# Altium PCB BeliefSat-0 2.0.PcbDoc (part 2 of 2)
Units mm, origin at the board's own origin, x right, y up, seen from the top; angles counter-clockwise.
Board outline 100 x 100 mm, 4 copper layers (Top Layer, GND, GND1, Bottom Layer), stack 1.64 mm thick; 59 components, 42 nets, 197 pads, 1337 vias.
Unrouted connection lines stored in the file: 39.
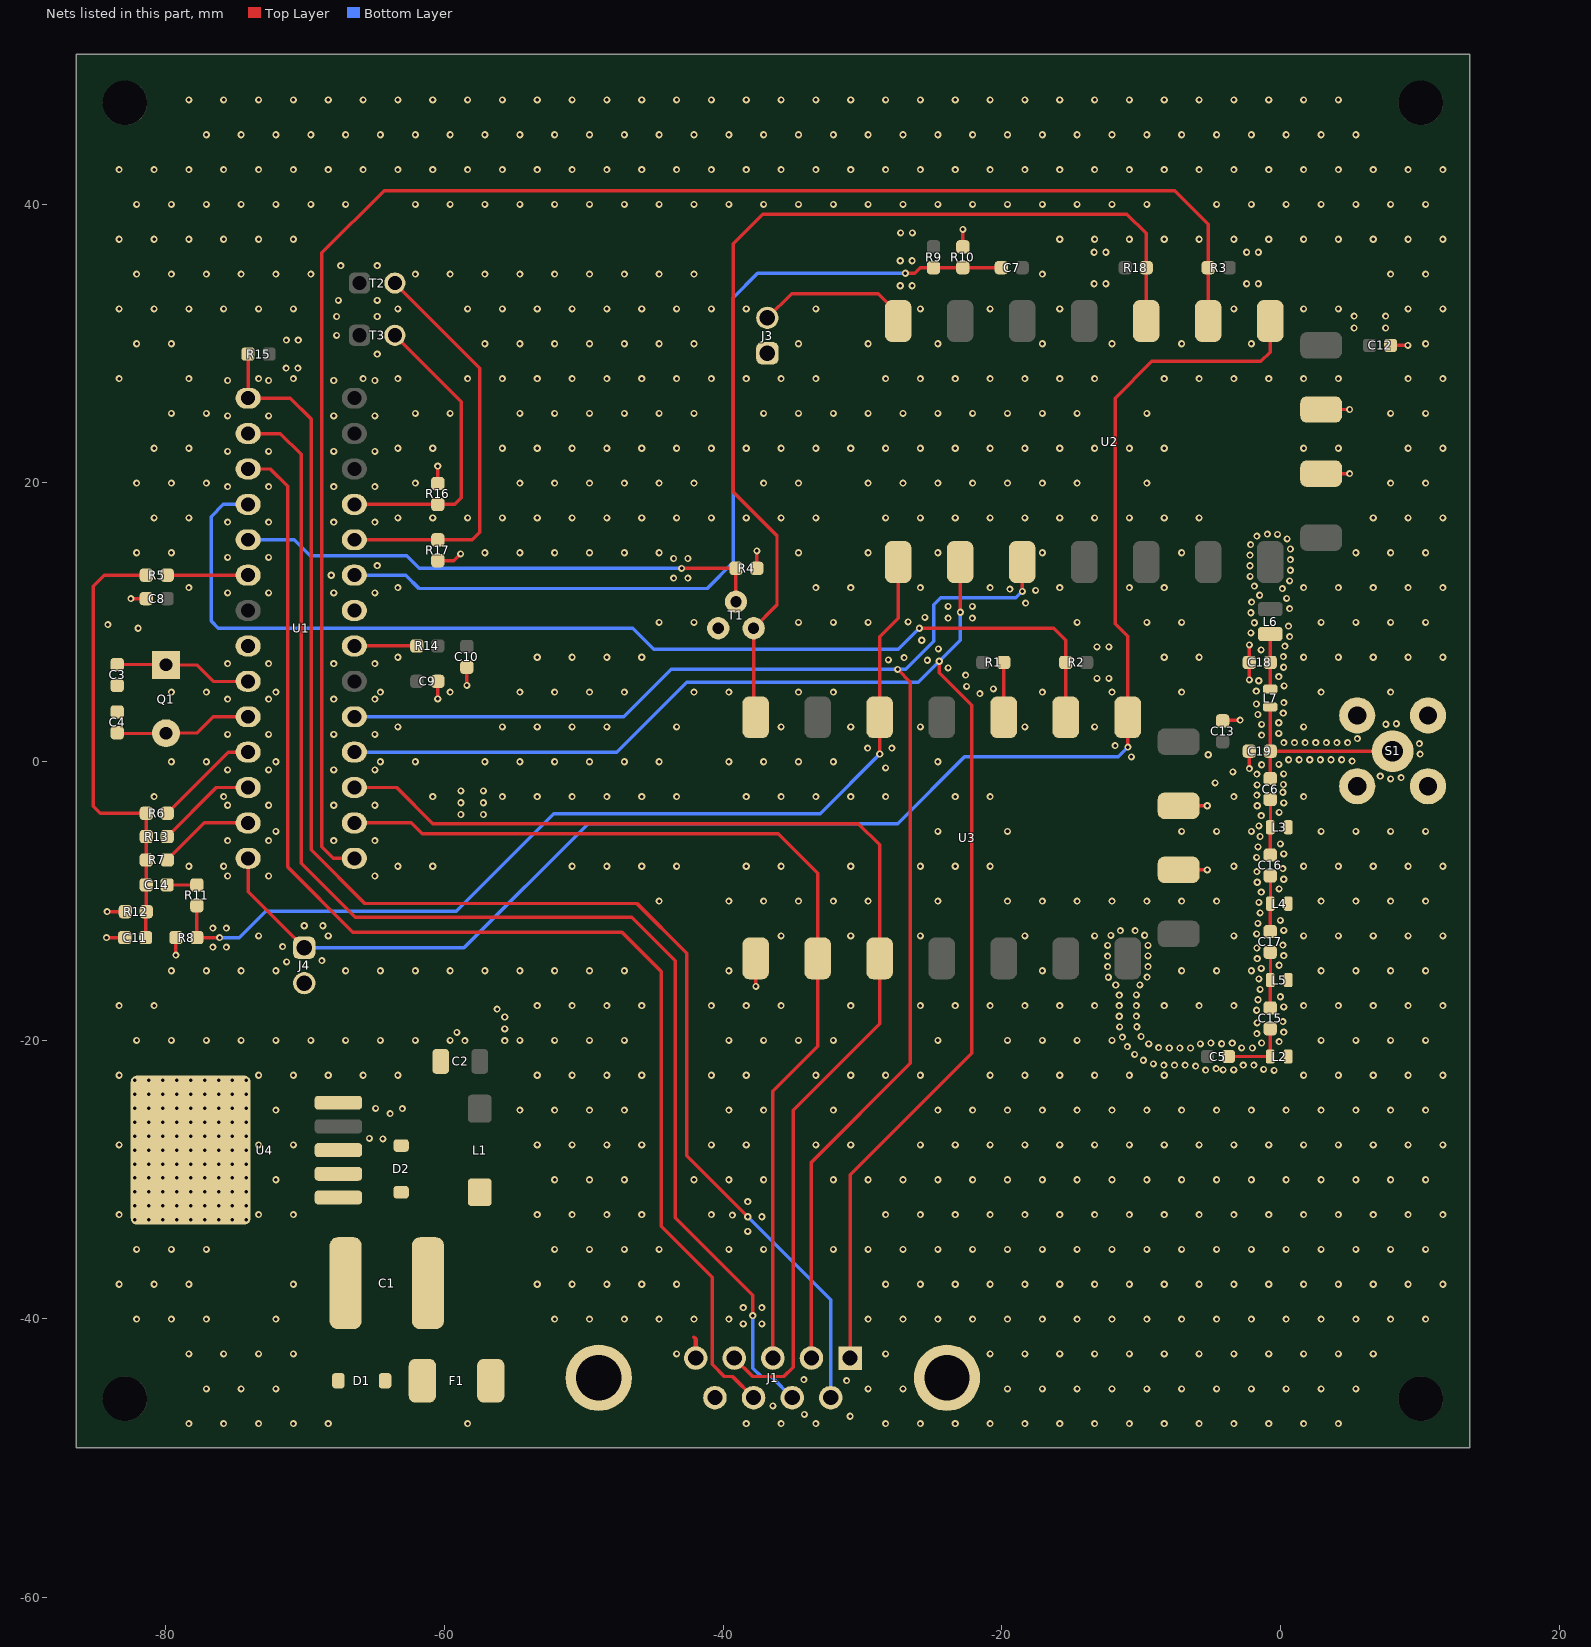
[diagram p4: the nets of this part, all layers, seen from the top]

## Via types
v1: diameter 0.508, hole 0.254, Top Layer to Bottom Layer, tented both sides, 1337 vias

## Nets (pads, with @x,y where several pads share a name; then routed paths per layer and width w, separated by ;. In a path a pad name is that pad's centre, name@x,y a point inside that pad or via, vN(x,y) a via of type N, cw(c..) or ccw(c..) an arc to the next point about the centre after c; other vN are vias at no path point) (continued)
GND: C1.2 C2.2 C3.2 C4.2 C8.1 C9.1 C10.2 C11.2 C12.2 C13.2 C18.2 C19.2 D2.1 J1.5 J1.10 J1.11 J3.1 J4.2 L2.2 L3.1 L4.2 L5.2 R4.1 R8.2 R10.2 R12.2 R16.2 R17.2 S1.2 T1.1 U1.8 U1.22 U2.9 U2.10 U3.9 U3.10 U3.18 U4.3 U4.5 U4.6 | length 31.8
  Top Layer w0.246: v1(-84.245,-12.646) C11.2@-82.942,-12.646 ; v1(-84.195,-10.785) R12.2@-82.892,-10.785 ; v1(-82.497,11.679) C8.1@-81.347,11.679 ; v1(-79.261,-13.899) R8.2@-79.261,-12.596 ; R17.2@-60.522,14.404 -59.313,14.404 v1(-58.825,14.891) ; v1(-60.472,4.491) C9.1@-60.472,5.794 ; R16.2@-60.472,19.894 v1(-60.472,21.197) ; v1(-58.387,5.45) C10.2@-58.387,6.753 ; U3.18@-37.654,-14.086 -37.647,-14.093 v1(-37.647,-16.146) ; R4.1@-37.572,13.808 v1(-37.572,15.111) ; R10.2@-22.793,36.879 v1(-22.793,38.182) ; U3.10@-7.311,-7.793 U3.10@-7.304,-7.786 v1(-5.251,-7.786) ; U3.9@-7.311,-3.193 U3.9@-7.304,-3.186 v1(-5.251,-3.186) ; C13.2@-4.195,2.964 v1(-2.892,2.964) ; v1(-2.229,-0.524) C19.2@-2.229,0.779 ; v1(-2.229,5.851) v1(-2.229,8.357) ; U2.10@2.914,20.647 U2.10@2.921,20.654 v1(4.974,20.654) ; U2.9@2.914,25.247 U2.9@2.921,25.254 v1(4.974,25.254) ; C12.2@7.853,29.854 v1(9.156,29.854)
  Top Layer w0.254: -42.108,-41.341 cw(c-42.108,-41.485) -41.963,-41.485
  Top Layer w0.3: J1.5@-41.963,-42.821 -41.963,-41.485
  other v1: -78.334,-47.526 -75.834,-47.526 -73.334,-47.526 -70.834,-47.526 -68.334,-47.526 -58.334,-47.526 -38.334,-47.526 -35.834,-47.526 -33.334,-47.526 -28.334,-47.526 -25.834,-47.526 -23.334,-47.526 -20.834,-47.526 -18.334,-47.526 -15.834,-47.526 -13.334,-47.526 -10.834,-47.526 -8.334,-47.526 -5.834,-47.526 -3.334,-47.526 -0.834,-47.526 1.666,-47.526 4.166,-47.526 -30.883,-46.996 -34.164,-46.864 -36.423,-46.252 -77.084,-45.026 -74.584,-45.026 -72.084,-45.026 -29.584,-45.026 -27.084,-45.026 -19.584,-45.026 -17.084,-45.026 -14.584,-45.026 -12.084,-45.026 -9.584,-45.026 -7.084,-45.026 -4.584,-45.026 -2.084,-45.026 0.416,-45.026 2.916,-45.026 5.416,-45.026 -31.129,-44.434 -34.197,-44.371 -78.334,-42.526 -75.834,-42.526 -73.334,-42.526 -70.834,-42.526 -43.334,-42.526 -28.334,-42.526 -20.834,-42.526 -18.334,-42.526 -15.834,-42.526 -13.334,-42.526 -10.834,-42.526 -8.334,-42.526 -5.834,-42.526 -3.334,-42.526 -0.834,-42.526 1.666,-42.526 4.166,-42.526 6.666,-42.526 -38.547,-40.366 -37.215,-40.366 -82.084,-40.026 -79.584,-40.026 -77.084,-40.026 -72.084,-40.026 -52.084,-40.026 -49.584,-40.026 -47.084,-40.026 -44.584,-40.026 -42.084,-40.026 -39.584,-40.026 -29.584,-40.026 -27.084,-40.026 -24.584,-40.026 -22.084,-40.026 -19.584,-40.026 -17.084,-40.026 -14.584,-40.026 -12.084,-40.026 -9.584,-40.026 -7.084,-40.026 -4.584,-40.026 -2.084,-40.026 0.416,-40.026 2.916,-40.026 5.416,-40.026 7.916,-40.026 10.416,-40.026 -38.547,-39.195 -37.215,-39.195 -83.334,-37.526 -80.834,-37.526 -78.334,-37.526 -70.834,-37.526 -53.334,-37.526 -50.834,-37.526 -48.334,-37.526 -45.834,-37.526 -43.334,-37.526 -28.334,-37.526 -25.834,-37.526 -23.334,-37.526 -20.834,-37.526 -18.334,-37.526 -15.834,-37.526 -13.334,-37.526 -10.834,-37.526 -8.334,-37.526 -5.834,-37.526 -3.334,-37.526 -0.834,-37.526 1.666,-37.526 4.166,-37.526 6.666,-37.526 9.166,-37.526 11.666,-37.526 -82.084,-35.026 -79.584,-35.026 -77.084,-35.026 -52.084,-35.026 -49.584,-35.026 -47.084,-35.026 -44.584,-35.026 -39.584,-35.026 -37.084,-35.026 -32.084,-35.026 -29.584,-35.026 -27.084,-35.026 -24.584,-35.026 -22.084,-35.026 -19.584,-35.026 -17.084,-35.026 -14.584,-35.026 -12.084,-35.026 -9.584,-35.026 -7.084,-35.026 -4.584,-35.026 -2.084,-35.026 0.416,-35.026 2.916,-35.026 5.416,-35.026 7.916,-35.026 10.416,-35.026 -38.225,-33.726 -82.206,-32.896 -81.206,-32.896 -80.206,-32.896 -79.206,-32.896 -78.206,-32.896 -77.206,-32.896 -76.206,-32.896 -75.206,-32.896 -74.206,-32.896 -37.215,-32.679 -39.323,-32.566 -83.334,-32.526 -73.334,-32.526 -70.834,-32.526 -53.334,-32.526 -50.834,-32.526 -48.334,-32.526 -45.834,-32.526 -40.834,-32.526 -28.334,-32.526 -25.834,-32.526 -23.334,-32.526 -20.834,-32.526 -18.334,-32.526 -15.834,-32.526 -13.334,-32.526 -10.834,-32.526 -8.334,-32.526 -5.834,-32.526 -3.334,-32.526 -0.834,-32.526 1.666,-32.526 4.166,-32.526 6.666,-32.526 9.166,-32.526 11.666,-32.526 -82.206,-31.896 -81.206,-31.896 -80.206,-31.896 -79.206,-31.896 -78.206,-31.896 -77.206,-31.896 -76.206,-31.896 -75.206,-31.896 -74.206,-31.896 -38.225,-31.596 -82.206,-30.896 -81.206,-30.896 -80.206,-30.896 -79.206,-30.896 -78.206,-30.896 -77.206,-30.896 -76.206,-30.896 -75.206,-30.896 -74.206,-30.896 -72.084,-30.026 -52.084,-30.026 -49.584,-30.026 -47.084,-30.026 -42.084,-30.026 -39.584,-30.026 -37.084,-30.026 -32.084,-30.026 -29.584,-30.026 -27.084,-30.026 -24.584,-30.026 -22.084,-30.026 -19.584,-30.026 -17.084,-30.026 -14.584,-30.026 -12.084,-30.026 -9.584,-30.026 -7.084,-30.026 -4.584,-30.026 -2.084,-30.026 0.416,-30.026 2.916,-30.026 5.416,-30.026 7.916,-30.026 10.416,-30.026 -82.206,-29.896 -81.206,-29.896 -80.206,-29.896 -79.206,-29.896 -78.206,-29.896 -77.206,-29.896 -76.206,-29.896 -75.206,-29.896 -74.206,-29.896 -82.206,-28.896 -81.206,-28.896 -80.206,-28.896 -79.206,-28.896 -78.206,-28.896 -77.206,-28.896 -76.206,-28.896 -75.206,-28.896 -74.206,-28.896 -82.206,-27.896 -81.206,-27.896 -80.206,-27.896 -79.206,-27.896 -78.206,-27.896 -77.206,-27.896 -76.206,-27.896 -75.206,-27.896 -74.206,-27.896 -83.334,-27.526 -73.334,-27.526 -70.834,-27.526 -53.334,-27.526 -50.834,-27.526 -48.334,-27.526 -45.834,-27.526 -40.834,-27.526 -38.334,-27.526 -33.334,-27.526 -30.834,-27.526 -25.834,-27.526 -23.334,-27.526 -20.834,-27.526 -18.334,-27.526 -15.834,-27.526 -13.334,-27.526 -10.834,-27.526 -8.334,-27.526 -5.834,-27.526 -3.334,-27.526 -0.834,-27.526 1.666,-27.526 4.166,-27.526 6.666,-27.526 9.166,-27.526 11.666,-27.526 -64.414,-27.088 -65.381,-27.06 -82.206,-26.896 -81.206,-26.896 -80.206,-26.896 -79.206,-26.896 -78.206,-26.896 -77.206,-26.896 -76.206,-26.896 -75.206,-26.896 -74.206,-26.896 -82.206,-25.896 -81.206,-25.896 -80.206,-25.896 -79.206,-25.896 -78.206,-25.896 -77.206,-25.896 -76.206,-25.896 -75.206,-25.896 -74.206,-25.896 -63.897,-25.273 -72.084,-25.026 -54.584,-25.026 -52.084,-25.026 -49.584,-25.026 -47.084,-25.026 -39.584,-25.026 -37.084,-25.026 -32.084,-25.026 -24.584,-25.026 -22.084,-25.026 -19.584,-25.026 -17.084,-25.026 -14.584,-25.026 -12.084,-25.026 -9.584,-25.026 -7.084,-25.026 -4.584,-25.026 -2.084,-25.026 0.416,-25.026 2.916,-25.026 5.416,-25.026 7.916,-25.026 10.416,-25.026 -63.017,-24.923 -82.206,-24.896 -81.206,-24.896 -80.206,-24.896 -79.206,-24.896 -78.206,-24.896 -77.206,-24.896 -76.206,-24.896 -75.206,-24.896 -74.206,-24.896 -64.926,-24.896 -82.206,-23.896 -81.206,-23.896 -80.206,-23.896 -79.206,-23.896 -78.206,-23.896 -77.206,-23.896 -76.206,-23.896 -75.206,-23.896 -74.206,-23.896 -82.206,-22.896 -81.206,-22.896 -80.206,-22.896 -79.206,-22.896 -78.206,-22.896 -77.206,-22.896 -76.206,-22.896 -75.206,-22.896 -74.206,-22.896 -83.334,-22.526 -73.334,-22.526 -70.834,-22.526 -68.334,-22.526 -65.834,-22.526 -63.334,-22.526 -53.334,-22.526 -50.834,-22.526 -48.334,-22.526 -45.834,-22.526 -40.834,-22.526 -38.334,-22.526 -33.334,-22.526 -30.834,-22.526 -28.334,-22.526 -25.834,-22.526 -20.834,-22.526 -18.334,-22.526 -15.834,-22.526 -13.334,-22.526 -10.834,-22.526 -8.334,-22.526 1.666,-22.526 4.166,-22.526 6.666,-22.526 9.166,-22.526 11.666,-22.526 -0.445,-22.172 -5.371,-22.154 -4.108,-22.135 -3.346,-22.134 -1.204,-22.101 -4.617,-22.046 -6.08,-21.874 -8.362,-21.795 -7.6,-21.795 -6.838,-21.795 -2.664,-21.795 -1.902,-21.795 -9.119,-21.706 -9.836,-21.449 -10.468,-21.023 -7.975,-20.569 -7.213,-20.569 -6.451,-20.569 -2.776,-20.565 -2.014,-20.569 -8.737,-20.543 -10.985,-20.463 -9.448,-20.27 -5.748,-20.276 -4.216,-20.263 -4.988,-20.211 -3.455,-20.218 -1.342,-20.211 -0.091,-20.114 -82.084,-20.026 -79.584,-20.026 -77.084,-20.026 -74.584,-20.026 -72.084,-20.026 -69.584,-20.026 -67.084,-20.026 -64.584,-20.026 -62.084,-20.026 -59.584,-20.026 -58.523,-20.044 -55.663,-20.044 -54.584,-20.026 -52.084,-20.026 -49.584,-20.026 -47.084,-20.026 -39.584,-20.026 -37.084,-20.026 -34.584,-20.026 -32.084,-20.026 -24.584,-20.026 -19.584,-20.026 -17.084,-20.026 -14.584,-20.026 -12.084,-20.026 2.916,-20.026 5.416,-20.026 7.916,-20.026 10.416,-20.026 -11.341,-19.79 -9.999,-19.743 -1.689,-19.532 -59.097,-19.446 0.242,-19.429 -55.663,-19.194 -11.535,-19.053 -10.302,-19.044 -1.674,-18.771 0.176,-18.67 -55.663,-18.345 -11.567,-18.291 -10.341,-18.283 -1.701,-17.862 -56.212,-17.774 0.243,-17.614 -83.334,-17.526 -80.834,-17.526 -53.334,-17.526 -50.834,-17.526 -48.334,-17.526 -45.834,-17.526 -40.834,-17.526 -38.334,-17.526 -35.834,-17.526 -30.834,-17.526 -25.834,-17.526 -23.334,-17.526 -20.834,-17.526 -18.334,-17.526 -15.834,-17.526 -13.334,-17.526 -11.567,-17.529 -10.341,-17.521 -8.334,-17.526 -5.834,-17.526 -3.334,-17.526 1.666,-17.526 4.166,-17.526 6.666,-17.526 9.166,-17.526 11.666,-17.526 -1.608,-17.106 0.001,-16.891 -11.567,-16.767 -10.341,-16.759 -1.451,-16.36 -11.816,-16.047 -10.082,-16.043 -1.537,-15.603 -12.338,-15.492 -9.565,-15.482 -79.584,-15.026 -77.084,-15.026 -74.584,-15.026 -72.084,-15.026 -67.084,-15.026 -64.584,-15.026 -62.084,-15.026 -59.584,-15.026 -57.084,-15.026 -54.584,-15.026 -52.084,-15.026 -49.584,-15.026 -47.084,-15.026 -39.584,-15.026 -17.084,-15.026 -7.084,-15.026 -4.584,-15.026 -2.084,-15.026 2.916,-15.026 5.416,-15.026 7.916,-15.026 10.416,-15.026 -1.371,-14.859 -12.405,-14.733 -9.503,-14.723 -0.088,-14.631 -71.326,-14.385 -68.786,-14.296 -1.663,-14.155 -12.405,-13.971 -9.503,-13.961 0.242,-13.945 -1.691,-13.394 -76.608,-13.325 -75.636,-13.325 -71.601,-13.296 -12.405,-13.209 -9.503,-13.199 0.176,-13.186 -73.334,-12.526 -68.334,-12.526 -35.834,-12.526 -30.834,-12.526 -25.834,-12.526 -18.334,-12.526 -13.334,-12.526 -3.334,-12.526 1.666,-12.526 4.166,-12.526 6.666,-12.526 9.166,-12.526 11.666,-12.526 -12.17,-12.485 -9.746,-12.477 -1.701,-12.381 -11.488,-12.144 -10.431,-12.144 0.243,-12.127 -76.608,-11.967 -75.636,-11.967 -70.056,-11.797 -68.711,-11.797 -1.609,-11.624 0,-11.405 -1.45,-10.879 -1.537,-10.122 -44.584,-10.026 -39.584,-10.026 -37.084,-10.026 -34.584,-10.026 -32.084,-10.026 -29.584,-10.026 -24.584,-10.026 -19.584,-10.026 -17.084,-10.026 -14.584,-10.026 -12.084,-10.026 -9.584,-10.026 -7.084,-10.026 -4.584,-10.026 2.916,-10.026 5.416,-10.026 7.916,-10.026 10.416,-10.026 -1.373,-9.378 -0.088,-9.145 -1.661,-8.673 0.242,-8.459 -75.559,-8.226 -72.605,-8.226 -64.985,-8.226 -1.691,-7.911 0.176,-7.7 -78.334,-7.526 -75.834,-7.526 -63.334,-7.526 -60.834,-7.526 -50.834,-7.526 -48.334,-7.526 -45.834,-7.526 -43.334,-7.526 -38.334,-7.526 -35.834,-7.526 -30.834,-7.526 -25.834,-7.526 -23.334,-7.526 -20.834,-7.526 -3.334,-7.526 1.666,-7.526 4.166,-7.526 6.666,-7.526 9.166,-7.526 11.666,-7.526 -1.701,-6.892 0.243,-6.644 -1.608,-6.135 0.001,-5.921 -75.559,-5.686 -72.605,-5.686 -67.939,-5.686 -64.985,-5.686 -1.451,-5.39 -72.084,-5.026 -24.584,-5.026 -19.584,-5.026 -7.084,-5.026 -4.584,-5.026 -2.084,-5.026 2.916,-5.026 5.416,-5.026 7.916,-5.026 10.416,-5.026 -1.537,-4.633 -1.371,-3.889 -58.811,-3.812 -57.202,-3.812 -0.088,-3.661 -1.663,-3.185 -75.559,-3.146 -72.605,-3.146 -67.939,-3.146 -64.985,-3.146 -58.811,-2.966 -57.202,-2.966 0.242,-2.975 -80.834,-2.526 -75.834,-2.526 -60.834,-2.526 -55.834,-2.526 -53.334,-2.526 -50.834,-2.526 -48.334,-2.526 -45.834,-2.526 -43.334,-2.526 -38.334,-2.526 -35.834,-2.526 -33.334,-2.526 -30.834,-2.526 -28.334,-2.526 -23.334,-2.526 -20.834,-2.526 -3.334,-2.526 1.666,-2.526 -1.691,-2.423 0.176,-2.216 -58.811,-2.121 -57.202,-2.121 -1.664,-1.681 0.215,-1.659 -4.679,-1.548 7.903,-1.258 8.66,-1.169 7.168,-1.057 -1.691,-0.92 0.232,-0.897 -3.416,-0.757 -75.559,-0.606 -72.605,-0.606 -67.939,-0.606 -64.985,-0.606 -28.329,-0.472 -1.342,-0.243 -0.103,-0.213 -79.584,-0.026 -77.084,-0.026 -72.084,-0.026 -64.584,-0.026 -62.084,-0.026 -57.084,-0.026 -54.584,-0.026 -52.084,-0.026 -49.584,-0.026 -47.084,-0.026 -44.584,-0.026 -39.584,-0.026 -37.084,-0.026 -34.584,-0.026 -32.084,-0.026 -24.584,-0.026 5.15,0.015 0.584,0.116 1.346,0.116 2.108,0.116 2.87,0.116 3.632,0.116 4.394,0.116 -10.697,0.329 -5.175,0.475 10.034,0.517 -29.622,0.954 -27.886,0.954 -11.858,1.129 9.969,1.276 0.25,1.342 1.012,1.342 1.774,1.342 2.536,1.342 3.298,1.342 4.06,1.342 4.822,1.342 5.525,1.637 -1.342,1.89 -75.559,1.934 -72.605,1.934 -67.939,1.934 -64.985,1.934 -0.116,2.01 -63.334,2.474 -55.834,2.474 -53.334,2.474 -50.834,2.474 -48.334,2.474 -43.334,2.474 -35.834,2.474 -30.834,2.474 -25.834,2.474 -18.334,2.474 -13.334,2.474 1.666,2.474 -1.342,2.652 7.567,2.663 8.328,2.704 -0.116,2.772 -1.609,3.366 0.203,3.464 -1.725,4.119 0.254,4.225 -75.559,4.474 -72.605,4.474 -67.939,4.474 -64.985,4.474 -21.569,4.865 -79.584,4.974 -77.084,4.974 -72.084,4.974 -64.584,4.974 -59.584,4.974 -54.584,4.974 -52.084,4.974 -49.584,4.974 -47.084,4.974 -42.084,4.974 -39.584,4.974 -34.584,4.974 -32.084,4.974 -17.084,4.974 -12.084,4.974 -7.084,4.974 2.916,4.974 7.916,4.974 -1.734,5.046 -20.597,5.204 -22.522,5.379 0.267,5.418 -1.552,5.786 -13.161,5.954 -12.311,5.954 -0.116,6.077 -22.586,6.187 -23.84,6.706 0.23,6.756 -75.559,7.014 -72.605,7.014 -67.939,7.014 -64.985,7.014 -25.33,7.257 -28.127,7.289 -27.007,7.448 -63.334,7.474 -53.334,7.474 -50.834,7.474 -48.334,7.474 -45.834,7.474 -8.334,7.474 -5.834,7.474 1.666,7.474 4.166,7.474 6.666,7.474 9.166,7.474 11.666,7.474 0.217,7.518 -1.389,7.998 -24.544,8.076 -13.161,8.212 -12.311,8.212 0.321,8.273 -25.739,8.693 0.658,8.956 -2.116,9.226 -81.972,9.554 0.581,9.714 -84.152,9.81 -1.871,9.948 -44.584,9.974 -42.084,9.974 -34.584,9.974 -32.084,9.974 -29.584,9.974 -14.584,9.974 -9.584,9.974 -7.084,9.974 2.916,9.974 5.416,9.974 7.916,9.974 10.416,9.974 -26.713,10.007 -23.84,10.28 -22.104,10.28 -25.519,10.341 -2.115,10.668 0.658,10.965 -23.84,11.128 -22.104,11.128 -18.288,11.353 -2.067,11.428 0.444,11.697 -1.486,11.921 -75.559,12.094 -72.605,12.094 -67.939,12.094 -64.985,12.094 -17.568,12.268 -19.42,12.36 0.143,12.397 -78.334,12.474 -63.334,12.474 -33.334,12.474 -30.834,12.474 -25.834,12.474 -20.834,12.474 -15.834,12.474 -10.834,12.474 -8.334,12.474 1.666,12.474 4.166,12.474 6.666,12.474 9.166,12.474 11.666,12.474 -1.871,12.579 0.66,12.958 -43.545,13.156 -42.517,13.156 -2.18,13.276 -68.117,13.356 0.722,13.717 -2.18,14.038 -64.817,14.055 0.722,14.479 -43.545,14.56 -42.517,14.56 -75.559,14.634 -72.605,14.634 -2.18,14.8 -82.084,14.974 -79.584,14.974 -57.084,14.974 -54.584,14.974 -52.084,14.974 -49.584,14.974 -47.084,14.974 -44.584,14.974 -34.584,14.974 -29.584,14.974 -24.584,14.974 -17.084,14.974 -7.084,14.974 5.416,14.974 7.916,14.974 10.416,14.974 0.722,15.241 -2.144,15.561 0.479,15.963 -1.686,16.17 -0.206,16.296 -0.936,16.305 -75.559,17.174 -72.605,17.174 -67.939,17.174 -64.985,17.174 -80.834,17.474 -78.334,17.474 -63.334,17.474 -60.834,17.474 -58.334,17.474 -55.834,17.474 -53.334,17.474 -50.834,17.474 -48.334,17.474 -45.834,17.474 -43.334,17.474 -40.834,17.474 -38.334,17.474 -35.834,17.474 -33.334,17.474 -28.334,17.474 -25.834,17.474 -23.334,17.474 -20.834,17.474 -18.334,17.474 -15.834,17.474 -13.334,17.474 -10.834,17.474 -8.334,17.474 -5.834,17.474 6.666,17.474 9.166,17.474 11.666,17.474 -75.559,19.714 -72.605,19.714 -67.939,19.714 -64.985,19.714 -82.084,19.974 -79.584,19.974 -77.084,19.974 -62.084,19.974 -54.584,19.974 -52.084,19.974 -49.584,19.974 -47.084,19.974 -44.584,19.974 -42.084,19.974 -37.084,19.974 -34.584,19.974 -29.584,19.974 -27.084,19.974 -24.584,19.974 -22.084,19.974 -19.584,19.974 -17.084,19.974 -14.584,19.974 -9.584,19.974 7.916,19.974 10.416,19.974 -75.559,22.254 -72.605,22.254 -67.939,22.254 -64.985,22.254 -80.834,22.474 -78.334,22.474 -63.334,22.474 -60.834,22.474 -55.834,22.474 -53.334,22.474 -50.834,22.474 -48.334,22.474 -45.834,22.474 -43.334,22.474 -40.834,22.474 -38.334,22.474 -35.834,22.474 -33.334,22.474 -30.834,22.474 -28.334,22.474 -25.834,22.474 -23.334,22.474 -20.834,22.474 -18.334,22.474 -15.834,22.474 -13.334,22.474 -10.834,22.474 -8.334,22.474 1.666,22.474 4.166,22.474 9.166,22.474 11.666,22.474 -75.559,24.794 -72.605,24.794 -67.939,24.794 -64.985,24.794 -79.584,24.974 -77.084,24.974 -62.084,24.974 -59.584,24.974 -54.584,24.974 -52.084,24.974 -49.584,24.974 -47.084,24.974 -44.584,24.974 -42.084,24.974 -37.084,24.974 -34.584,24.974 -32.084,24.974 -29.584,24.974 -27.084,24.974 -24.584,24.974 -22.084,24.974 -19.584,24.974 -17.084,24.974 -14.584,24.974 -9.584,24.974 7.916,24.974 10.416,24.974 -75.559,27.334 -72.605,27.334 -67.939,27.334 -64.985,27.334 -83.334,27.474 -78.334,27.474 -73.334,27.474 -70.834,27.474 -65.834,27.474 -63.334,27.474 -58.334,27.474 -55.834,27.474 -53.334,27.474 -50.834,27.474 -48.334,27.474 -45.834,27.474 -43.334,27.474 -40.834,27.474 -38.334,27.474 -35.834,27.474 -33.334,27.474 -28.334,27.474 -25.834,27.474 -23.334,27.474 -20.834,27.474 -18.334,27.474 -15.834,27.474 -13.334,27.474 -8.334,27.474 -5.834,27.474 -3.334,27.474 -0.834,27.474 1.666,27.474 4.166,27.474 9.166,27.474 11.666,27.474 -71.359,28.229 -70.509,28.229 -64.817,29.229 -82.084,29.974 -79.584,29.974 -57.084,29.974 -54.584,29.974 -52.084,29.974 -49.584,29.974 -47.084,29.974 -44.584,29.974 -42.084,29.974 -34.584,29.974 -29.584,29.974 -24.584,29.974 -17.084,29.974 -12.084,29.974 -7.084,29.974 -2.084,29.974 10.416,29.974 -71.334,30.229 -70.484,30.229 -67.732,30.579 5.295,31.104 7.553,31.104 -67.732,31.929 -64.817,31.929 5.295,31.954 7.553,31.954 -83.334,32.474 -80.834,32.474 -78.334,32.474 -75.834,32.474 -73.334,32.474 -70.834,32.474 -63.334,32.474 -58.334,32.474 -55.834,32.474 -53.334,32.474 -50.834,32.474 -48.334,32.474 -45.834,32.474 -43.334,32.474 -40.834,32.474 -38.334,32.474 -33.334,32.474 -25.834,32.474 -20.834,32.474 -15.834,32.474 -3.334,32.474 1.666,32.474 4.166,32.474 9.166,32.474 11.666,32.474 -67.607,33.079 -64.817,33.079 -27.283,34.133 -26.433,34.133 -13.372,34.279 -12.522,34.279 -2.423,34.279 -1.573,34.279 -82.084,34.974 -79.584,34.974 -77.084,34.974 -74.584,34.974 -72.084,34.974 -69.584,34.974 -62.084,34.974 -59.584,34.974 -57.084,34.974 -54.584,34.974 -52.084,34.974 -49.584,34.974 -47.084,34.974 -44.584,34.974 -42.084,34.974 -17.084,34.974 7.916,34.974 10.416,34.974 -67.437,35.579 -64.817,35.579 -27.283,35.929 -26.433,35.929 -13.372,36.537 -12.522,36.537 -2.423,36.537 -1.573,36.537 -83.334,37.474 -80.834,37.474 -78.334,37.474 -75.834,37.474 -73.334,37.474 -70.834,37.474 -15.834,37.474 -13.334,37.474 -10.834,37.474 -8.334,37.474 -5.834,37.474 -3.334,37.474 -0.834,37.474 1.666,37.474 4.166,37.474 6.666,37.474 9.166,37.474 11.666,37.474 -27.258,37.929 -26.408,37.929 -82.084,39.974 -79.584,39.974 -77.084,39.974 -74.584,39.974 -72.084,39.974 -69.584,39.974 -67.084,39.974 -62.084,39.974 -59.584,39.974 -57.084,39.974 -54.584,39.974 -52.084,39.974 -49.584,39.974 -47.084,39.974 -44.584,39.974 -42.084,39.974 -39.584,39.974 -37.084,39.974 -34.584,39.974 -32.084,39.974 -29.584,39.974 -27.084,39.974 -24.584,39.974 -22.084,39.974 -19.584,39.974 -17.084,39.974 -14.584,39.974 -12.084,39.974 -9.584,39.974 -4.584,39.974 -2.084,39.974 0.416,39.974 2.916,39.974 5.416,39.974 7.916,39.974 10.416,39.974 -83.334,42.474 -80.834,42.474 -78.334,42.474 -75.834,42.474 -73.334,42.474 -70.834,42.474 -68.334,42.474 -65.834,42.474 -63.334,42.474 -60.834,42.474 -58.334,42.474 -55.834,42.474 -53.334,42.474 -50.834,42.474 -48.334,42.474 -45.834,42.474 -43.334,42.474 -40.834,42.474 -38.334,42.474 -35.834,42.474 -33.334,42.474 -30.834,42.474 -28.334,42.474 -25.834,42.474 -23.334,42.474 -20.834,42.474 -18.334,42.474 -15.834,42.474 -13.334,42.474 -10.834,42.474 -8.334,42.474 -5.834,42.474 -3.334,42.474 -0.834,42.474 1.666,42.474 4.166,42.474 6.666,42.474 9.166,42.474 11.666,42.474 -77.084,44.974 -74.584,44.974 -72.084,44.974 -69.584,44.974 -67.084,44.974 -64.584,44.974 -62.084,44.974 -59.584,44.974 -57.084,44.974 -54.584,44.974 -52.084,44.974 -49.584,44.974 -47.084,44.974 -44.584,44.974 -42.084,44.974 -39.584,44.974 -37.084,44.974 -34.584,44.974 -32.084,44.974 -29.584,44.974 -27.084,44.974 -24.584,44.974 -22.084,44.974 -19.584,44.974 -17.084,44.974 -14.584,44.974 -12.084,44.974 -9.584,44.974 -7.084,44.974 -4.584,44.974 -2.084,44.974 0.416,44.974 2.916,44.974 5.416,44.974 -78.334,47.474 -75.834,47.474 -73.334,47.474 -70.834,47.474 -68.334,47.474 -65.834,47.474 -63.334,47.474 -60.834,47.474 -58.334,47.474 -55.834,47.474 -53.334,47.474 -50.834,47.474 -48.334,47.474 -45.834,47.474 -43.334,47.474 -40.834,47.474 -38.334,47.474 -35.834,47.474 -33.334,47.474 -30.834,47.474 -28.334,47.474 -25.834,47.474 -23.334,47.474 -20.834,47.474 -18.334,47.474 -15.834,47.474 -13.334,47.474 -10.834,47.474 -8.334,47.474 -5.834,47.474 -3.334,47.474 -0.834,47.474 1.666,47.474 4.166,47.474
H/L: J4.1 U1.14 U2.7 U3.7 | length 113.3
  Top Layer w0.246: U1.14@-74.082,-6.956 -74.082,-9.349 J4.1@-70.056,-13.375 ; v1(-10.947,1.029) -10.947,3.157 U3.7@-10.954,3.164 -10.954,8.972 -11.858,9.876 -11.858,26.068 -9.222,28.704 -1.397,28.704 -0.729,29.372 U2.7@-0.729,31.604
  Bottom Layer w0.246: J4.1@-70.056,-13.375 -58.589,-13.375 -49.676,-4.462 -27.466,-4.462 -22.673,0.331 -11.645,0.331 v1(-10.947,1.029)
MICIN_VHF: R8.1 R11.2 U2.18 U3.3 | length 71.1
  Top Layer w0.246: R11.2@-77.761,-10.362 R8.1@-77.761,-12.646 v1(-76.122,-12.646) ; v1(-28.754,0.53) U3.3@-28.754,3.164 -28.754,8.952 -27.429,10.277 U2.18@-27.429,14.304
  Bottom Layer w0.246: v1(-76.122,-12.646) -74.706,-12.646 -72.813,-10.753 -59.146,-10.753 -52.139,-3.746 -33.03,-3.746 v1(-28.754,0.53)
NetC1_1: C1.1 D1.2 U4.1
NetC5_2: C5.2 C15.1 L2.1 | length 5
  Top Layer w0.224: C5.2@-3.73,-21.182 L2.1@-0.729,-21.182 C15.1@-0.729,-19.189
NetC6_1: C6.1 C16.2 L3.2 | length 4
  Top Layer w0.224: C16.2@-0.729,-6.719 -0.729,-4.726 L3.2@-0.722,-4.726 -0.722,-2.735 C6.1@-0.729,-2.735
NetC11_1: C11.1 C14.1 R5.2 R6.2 R7.2 R12.1 R13.2 | length 32.9
  Top Layer w0.246: C11.1@-81.442,-12.646 -81.417,-12.621 -81.417,-10.81 R12.1@-81.392,-10.785 -81.395,-10.782 -81.395,-8.865 C14.1@-81.397,-8.862 -81.395,-8.86 -81.395,-7.076 R7.2@-81.392,-7.074 R13.2@-81.392,-5.399 R6.2@-81.392,-3.724 -84.699,-3.724 -85.197,-3.226 -85.197,12.578 -84.411,13.364 R5.2@-81.392,13.364
NetC14_2: C14.2 R11.1 | length 2.1
  Top Layer w0.224: C14.2@-79.897,-8.862 R11.1@-77.761,-8.862
NetC15_2: C15.2 C17.1 L5.1 | length 4
  Top Layer w0.224: C15.2@-0.729,-17.689 L5.1@-0.729,-15.703 ; C17.1@-0.729,-13.705 -0.722,-13.705 L5.1@-0.722,-15.696
NetC16_1: C16.1 C17.2 L4.1 | length 4
  Top Layer w0.224: C17.2@-0.729,-12.205 -0.729,-10.212 L4.1@-0.722,-10.212 -0.722,-8.219 C16.1@-0.729,-8.219
NetC18_1: C18.1 L6.2 L7.1 | length 4
  Top Layer w0.224: L7.1@-0.729,5.186 C18.1@-0.729,7.104 L6.2@-0.729,9.149
NetD1_1: D1.1 F1.2
NetD2_2: D2.2 L1.2 U4.2
NetR1_2: R1.2 U3.5 | length 3.9
  Top Layer w0.246: U3.5@-19.854,3.164 R1.2@-19.854,7.104
NetR14_2: R14.2 U1.21 | length 4.5
  Top Layer w0.246: U1.21@-66.462,8.284 R14.2@-61.972,8.284
PC0: C7.2 R9.2 R10.1 U1.23 | length 67.5
  Top Layer w0.246: v1(-26.908,35.031) -26.235,35.031 -25.837,35.429 R10.1@-22.793,35.429 C7.2@-20.029,35.429
  Bottom Layer w0.246: U1.23@-66.462,13.364 -62.775,13.364 -61.819,12.408 -41.143,12.408 -39.272,14.279 -39.272,33.287 -37.528,35.031 v1(-26.908,35.031)
PC1: R17.1 T2.2 U1.24 | length 29.6
  Top Layer w0.246: U1.24@-66.462,15.904 R17.1@-60.472,15.904 -57.997,15.904 -57.447,16.454 -57.447,28.229 T2.2@-63.547,34.329
PC2: R16.1 T3.2 U1.25 | length 21.5
  Top Layer w0.246: U1.25@-66.462,18.444 R16.1@-60.472,18.444 -59.26,18.444 -58.785,18.919 -58.785,25.817 T3.2@-63.547,30.579
PD3: R4.2 T1.2 U1.5 | length 38.3
  Top Layer w0.246: v1(-42.976,13.858) R4.2@-39.072,13.858 T1.2@-39.073,11.458
  Bottom Layer w0.246: U1.5@-74.082,15.904 -70.784,15.904 -69.634,14.754 -62.701,14.754 -61.805,13.858 v1(-42.976,13.858)
PD4: R5.1 U1.6 | length 5.8
  Top Layer w0.246: R5.1@-79.892,13.364 U1.6@-74.082,13.364
PD5: R6.1 U1.11 | length 7.6
  Top Layer w0.246: R6.1@-79.892,-3.724 -75.504,0.664 U1.11@-74.082,0.664
PD6: R13.1 U1.12 | length 7.3
  Top Layer w0.246: R13.1@-79.892,-5.399 -76.369,-1.876 U1.12@-74.082,-1.876
PD7: R7.1 U1.13 | length 6.9
  Top Layer w0.246: R7.1@-79.892,-7.074 -77.234,-4.416 U1.13@-74.082,-4.416
PD_UHF: R2.1 U1.4 U3.6 | length 79.2
  Top Layer w0.246: v1(-25.91,9.553) -16.273,9.553 -15.404,8.684 R2.1@-15.404,7.104 U3.6@-15.404,3.164
  Bottom Layer w0.246: U1.4@-74.082,18.444 -75.855,18.444 -76.74,17.559 -76.74,10.077 -76.219,9.556 -46.476,9.556 -44.973,8.053 -27.41,8.053 v1(-25.91,9.553)
PD_VHF: R3.1 U1.15 U2.6 | length 118.7
  Top Layer w0.246: U1.15@-66.462,-6.956 -67.962,-6.956 -68.786,-6.132 -68.786,36.49 -64.322,40.954 -7.583,40.954 -5.179,38.55 R3.1@-5.179,35.429 U2.6@-5.179,31.604
PTT_VHF: R18.2 T1.3 U2.5 U3.1 | length 73.4
  Top Layer w0.246: U3.1@-37.654,3.164 -37.803,3.313 T1.3@-37.803,9.553 -36.125,11.231 -36.125,16.186 -39.272,19.333 -39.272,37.154 -37.147,39.279 -11.016,39.279 -9.629,37.892 R18.2@-9.629,35.429 U2.5@-9.629,31.604
RESET_DB9: J1.6 R15.1 U1.1 | length 105.4
  Top Layer w0.246: R15.1@-74.082,29.229 U1.1@-74.082,26.064 -71.048,26.064 -69.556,24.572 -69.556,-6.351 -65.707,-10.2 -46.175,-10.2 -42.601,-13.774 -42.601,-28.303 v1(-38.225,-32.679)
  Bottom Layer w0.246: v1(-38.225,-32.679) -32.268,-38.636 J1.6@-32.268,-45.661
RX_DB9: J1.7 U1.2 | length 98.8
  Top Layer w0.246: U1.2@-74.082,23.524 -71.764,23.524 -70.284,22.044 -70.284,-7.298 -66.385,-11.197 -46.546,-11.197 -43.423,-14.32 -43.423,-32.752 -37.868,-38.307 v1(-37.868,-39.781)
  Bottom Layer w0.246: v1(-37.868,-39.781) -37.868,-43.543 -37.265,-44.146 -36.553,-44.146 J1.7@-35.038,-45.661
RX_UHF: J1.4 U1.17 U3.16 | length 84.5
  Top Layer w0.246: U1.17@-66.462,-1.876 -63.422,-1.876 -60.836,-4.462 -30.281,-4.462 -28.754,-5.989 U3.16@-28.754,-14.136 -28.754,-18.828 -34.972,-25.046 -34.972,-43.486 -35.632,-44.146 -37.868,-44.146 J1.4@-39.193,-42.821
RX_VHF: J1.2 U1.19 U2.16 | length 108.1
  Top Layer w0.246: J1.2@-33.653,-42.821 -33.653,-28.753 -26.55,-21.65 -26.55,5.688 v1(-27.466,6.604) ; U2.16@-18.529,14.304 -18.522,14.297 v1(-18.522,12.204)
  Bottom Layer w0.246: U1.19@-66.462,3.204 -47.122,3.204 -43.722,6.604 -26.897,6.604 -24.892,8.609 -24.892,11.231 -24.38,11.743 -18.983,11.743 v1(-18.522,12.204)
SMA: C6.2 C19.1 L7.2 S1.1 | length 13.9
  Top Layer w0.224: C6.2@-0.729,-1.235 C19.1@-0.729,0.729 ; L7.2@-0.729,3.906 C19.1@-0.729,0.729 ; S1.1@8.053,0.729 C19.1@-0.729,0.729
SQ_VHF: J3.2 U2.1 | length 11.2
  Top Layer w0.246: J3.2@-36.819,31.829 -35.076,33.572 -28.847,33.572 -27.429,32.154 U2.1@-27.429,31.604
TX_DB9: J1.8 U1.3 | length 94.3
  Top Layer w0.246: U1.3@-74.082,20.984 -72.483,20.984 -71.247,19.748 -71.247,-7.581 -66.579,-12.248 -47.253,-12.248 -44.422,-15.079 -44.422,-33.36 -40.766,-37.016 -40.766,-43.277 -39.897,-44.146 -39.323,-44.146 J1.8@-37.808,-45.661
TX_UHF: J1.3 U1.16 U3.17 | length 70.9
  Top Layer w0.246: U1.16@-66.462,-4.416 -62.367,-4.416 -61.595,-5.188 -36.03,-5.188 -33.204,-8.014 U3.17@-33.204,-14.136 -33.204,-20.453 -36.423,-23.672 J1.3@-36.423,-42.821
TX_VHF: J1.1 U1.18 U2.17 | length 107
  Top Layer w0.246: J1.1@-30.883,-42.821 -30.883,-29.658 -22.16,-20.935 -22.16,4.033 -24.482,6.355 v1(-24.482,7.185) ; U2.17@-22.979,14.304 -22.972,14.297 v1(-22.972,10.704)
  Bottom Layer w0.246: U1.18@-66.462,0.664 -47.612,0.664 -42.601,5.675 -25.992,5.675 -22.972,8.695 v1(-22.972,10.704)
VCC: F1.1 J1.9
XTAL_1: C3.1 Q1.1 U1.9 | length 9.9
  Top Layer w0.224: C3.1@-83.478,6.95 -80.002,6.95 Q1.1@-79.976,6.924 -77.764,6.924 -76.584,5.744 U1.9@-74.082,5.744
XTAL_2: C4.1 Q1.2 U1.10 | length 9.9
  Top Layer w0.224: C4.1@-83.478,1.998 -80.002,1.998 Q1.2@-79.976,2.024 -77.764,2.024 -76.584,3.204 U1.10@-74.082,3.204
pads on no net: U1.26 U1.27 U1.28 U2.2 U2.4 U2.11 U2.13 U2.14 U2.15 U3.2 U3.4 U3.11 U3.13 U3.14 U3.15

## Polygon pours and split planes (outlines as drawn)
3.3V on Top Layer "NONET_L-01_P-001" (solid, remove dead copper, pour order 11): -56.508,-25.915 -58.381,-25.915 cw(c-58.381,-25.284) -59.013,-25.284 -59.013,-23.573 cw(c-58.663,-23.576) -58.66,-23.226 -58.36,-23.226 ccw(c-58.36,-22.901) -58.034,-22.901 -58.034,-19.44 cw(c-57.789,-19.44) -57.789,-19.194 -56.447,-19.194 cw(c-56.447,-19.471) -56.17,-19.471 -56.17,-25.503 cw(c-56.59,-25.503)
GND on Top Layer "GND_L01_P013" (solid, remove dead copper, pour order 13): -52.872,-48.771 -83.357,-48.771 cw(c-83.357,-46.231) -85.897,-46.231 -85.897,47.714 cw(c-83.357,47.714) -83.357,50.254 -55.422,50.254 -17.397,50.254 10.853,50.254 cw(c10.853,48.029) 13.078,48.029 13.078,-46.206 cw(c10.538,-46.206) 10.538,-48.746 9.978,-48.746
VCC on Top Layer "NONET_L-01_P-001" (solid, remove dead copper, pour order 7): -42.617,-44.241 -40.786,-44.241 cw(c-40.786,-45.498) -39.897,-44.609 cw(c-41.387,-46.099) -39.28,-46.099 -39.28,-46.746 cw(c-40.932,-46.746) -40.932,-48.398 -55.112,-48.398 cw(c-55.112,-45.858) -57.652,-45.858 -57.652,-42.808 cw(c-56.948,-42.808) -56.948,-42.104 -55.392,-42.104 cw(c-55.392,-43.324) -54.172,-43.324 -54.172,-44.327 ccw(c-51.741,-44.327) -53.46,-46.046 -53.254,-46.252 ccw(c-51.458,-44.456) -51.458,-46.996 -47.477,-46.996 ccw(c-47.477,-44.456) -45.681,-46.252 -44.413,-44.985 cw(c-42.617,-46.781)
NetC1_1 on Top Layer "NONET_L-01_P-001" (solid, remove dead copper, pour order 9): -66.856,-42.528 cw(c-65.381,-42.528) -66.424,-41.485 -66.301,-41.363 ccw(c-67.195,-40.469) -65.931,-40.468 -65.907,-34.423 -65.907,-31.047 ccw(c-66.155,-31.047) -66.155,-30.799 -69.137,-30.799 ccw(c-69.137,-31.456) -69.794,-31.456 -69.794,-44.635 ccw(c-69.027,-44.635) -69.027,-45.402 -67.13,-45.402 ccw(c-67.13,-45.128) -66.856,-45.128
NetD2_2 on Top Layer "NONET_L-01_P-001" (solid, remove dead copper, pour order 10): -68.062,-29.093 -65.69,-29.093 cw(c-65.69,-30.385) -64.777,-29.471 ccw(c-63.751,-28.446) -63.751,-29.896 -59.919,-29.896 cw(c-59.919,-29.988) -59.853,-29.923 -56.465,-29.923 cw(c-56.465,-30.573) -55.815,-30.573 -55.815,-32.211 cw(c-56.17,-32.211) -56.17,-32.566 -63.63,-32.566 cw(c-63.63,-31.055) -64.699,-32.123 cw(c-64.011,-31.435) -64.984,-31.435 ccw(c-65.979,-31.435) -65.275,-30.731 -65.433,-30.573 ccw(c-66.583,-31.724) -66.583,-30.096 -69.073,-30.096 cw(c-69.073,-29.865) -69.305,-29.865 -69.305,-29.347 cw(c-69.051,-29.347) -69.051,-29.093
NetD1_1 on Top Layer "NONET_L-01_P-001" (solid, remove dead copper, pour order 8): -60.597,-46.6 cw(c-61.11,-46.6) -61.11,-47.113 -64.263,-47.113 cw(c-64.263,-46.599) -64.777,-46.599 -64.777,-42.73 cw(c-64.231,-42.73) -64.231,-42.184 -61.03,-42.184 cw(c-61.03,-42.617) -60.597,-42.617
3.3V on Bottom Layer "NONET_L-01_P-001" (solid, remove dead copper, pour order 12): -56.17,-20.219 cw(c-56.329,-20.219) -56.329,-20.378 -57.177,-20.378 cw(c-57.177,-19.953) -57.477,-20.253 -58.666,-19.065 ccw(c-59.013,-19.411) -59.013,-18.921 -59.472,-18.921 cw(c-59.472,-18.733) -59.66,-18.733 -59.66,-18.424 cw(c-59.16,-18.424) -59.16,-17.924 -57.654,-17.924 cw(c-57.654,-19.631) -56.447,-18.424 cw(c-57.116,-19.093) -56.17,-19.093
GND on Bottom Layer "GND_L04_P004" (solid, remove dead copper, pour order 4): -52.872,-48.771 -83.357,-48.771 cw(c-83.357,-46.231) -85.897,-46.231 -85.897,47.714 cw(c-83.357,47.714) -83.357,50.254 -55.422,50.254 -17.397,50.254 10.853,50.254 cw(c10.853,48.029) 13.078,48.029 13.078,-46.206 cw(c10.538,-46.206) 10.538,-48.746 9.978,-48.746
GND on GND1 "GND_L03_P005" (solid, remove dead copper, pour order 5): -52.872,-48.771 -83.357,-48.771 cw(c-83.357,-46.231) -85.897,-46.231 -85.897,47.714 cw(c-83.357,47.714) -83.357,50.254 -55.422,50.254 -17.397,50.254 10.853,50.254 cw(c10.853,48.029) 13.078,48.029 13.078,-46.206 cw(c10.538,-46.206) 10.538,-48.746 9.978,-48.746
GND on GND "GND_L02_P003" (solid, remove dead copper, pour order 3): -52.872,-48.771 -83.357,-48.771 cw(c-83.357,-46.231) -85.897,-46.231 -85.897,47.714 cw(c-83.357,47.714) -83.357,50.254 -55.422,50.254 -17.397,50.254 10.853,50.254 cw(c10.853,48.029) 13.078,48.029 13.078,-46.206 cw(c10.538,-46.206) 10.538,-48.746 9.978,-48.746

## Keep-outs
Keep-Out Layer:
  circle w0.152: c10.078,47.254 r3.511
  circle w0.152: c10.078,-45.746 r3.511
  circle w0.152: c-82.922,-45.746 r3.511
  circle w0.152: c-82.922,47.254 r3.511

## Other copper
Top Layer:
  pour cut-out: -69.984,-31.175 -69.984,-30.445 cw(c-67.921,-30.445) -69.38,-28.987 -69.38,-30.203 cw(c-70.054,-30.203) -69.578,-30.68
  pour cut-out: -62.47,-34.29 -62.47,-33.826 cw(c-61.029,-33.826) -62.048,-32.807 ccw(c-62.256,-33.015) -62.256,-32.72 -63.017,-32.72 -63.017,-33.305 cw(c-63.29,-33.305) -63.097,-33.498 ccw(c-62.525,-34.07) -63.334,-34.07 -63.334,-34.721
  pour cut-out: -30.281,-4.103 -27.235,-4.103 ccw(c-27.235,-3.772) -26.903,-3.772 cw(c-26.903,-3.915) -26.76,-3.915 -26.76,-4.371 cw(c-27.182,-4.371) -27.182,-4.794 -29.939,-4.794
  pour cut-out: -83.922,5.65 -83.922,2.309 cw(c-84.207,2.309) -84.207,2.024 cw(c-84.207,2.613) -84.796,2.613 -84.796,5.262 cw(c-84.179,5.262) -84.179,5.879
  pour cut-out: -83.716,1.337 -84.511,1.337 ccw(c-84.511,1.012) -84.836,1.012 cw(c-84.836,1.161) -84.985,1.161 -84.985,1.415 cw(c-84.68,1.415) -84.68,1.72 -84.097,1.72
  pour cut-out: -83.716,7.663 -84.459,7.663 cw(c-84.459,8.047) -84.843,8.047 ccw(c-84.843,7.893) -84.998,7.893 -84.998,7.496 ccw(c-84.867,7.496) -84.867,7.365 -83.876,7.365
  pour cut-out: -64.365,-47.346 -66.671,-47.346 cw(c-66.671,-44.806) -68.467,-46.602 -69.645,-45.424 -68.7,-45.424 cw(c-68.7,-46.017) -68.281,-45.598 -68.133,-45.746 ccw(c-66.337,-43.95) -66.337,-46.49 -65.282,-46.49
  pour cut-out: -62.461,-40.374 -62.461,-42.011 -63.083,-42.011 -63.083,-40.46 -63.09,-40.454
  text ".Layer_Name" at 8.066,-52.909 h1
GND:
  text ".Layer_Name" at 10.429,-52.919 h1
GND1:
  text ".Layer_Name" at 10.033,-52.919 h1
Bottom Layer:
  text ".Layer_Name" at 12.328,-52.909 h1

## Silkscreen, mask and mechanical layers (free items; w line width, h text height)
Top Overlay:
  text "BeliefSat-0 2.0" at -8.849,-33.415 h2.5
  text ".Layer_Name" at 7.197,-52.919 h1
Bottom Overlay:
  text ".Layer_Name" at 12.328,-52.919 h1
Top Paste:
  text ".Layer_Name" at 8.113,-52.909 h1
Bottom Paste:
  text ".Layer_Name" at 12.328,-52.909 h1
  text ".Layer_Name" at 12.328,-52.909 h1
Top Solder:
  text ".Layer_Name" at 7.67,-52.919 h1
Bottom Solder:
  text ".Layer_Name" at 12.328,-52.919 h1
Mechanical 1:
  drawing of 299 lines, arcs and shapes, not listed
  text "Layer" at 34.976,45.552 h1.52
  text "Name" at 45.387,45.552 h1.52
  text "Material" at 69.003,45.552 h1.52
  text "Thickness" at 90.841,45.552 h1.52
  text "Constant" at 107.347,45.552 h1.52
  text "Board Layer Stack" at 121.821,45.552 h1.52
  text "Top Overlay" at 45.387,42.504 h1.52
  text "Top Solder" at 45.387,39.456 h1.52
  text "Solder Resist" at 69.003,39.456 h1.52
  text "0.025mm" at 90.841,39.456 h1.52
  text "3.5" at 107.347,39.456 h1.52
  text "1" at 34.976,36.408 h1.52
  text "Top Layer" at 45.387,36.408 h1.52
  text "0.035mm" at 90.841,36.408 h1.52
  text "Dielectric 2" at 45.387,33.36 h1.52
  text "PP-006" at 69.003,33.36 h1.52
  text "0.150mm" at 90.841,33.36 h1.52
  text "4.2" at 107.347,33.36 h1.52
  text "2" at 34.976,30.312 h1.52
  text "GND" at 45.387,30.312 h1.52
  text "CF-004" at 69.003,30.312 h1.52
  text "0.035mm" at 90.841,30.312 h1.52
  text "Dielectric 1" at 45.387,27.264 h1.52
  text "FR-4" at 69.003,27.264 h1.52
  text "1.200mm" at 90.841,27.264 h1.52
  text "4.3" at 107.347,27.264 h1.52
  text "3" at 34.976,24.216 h1.52
  text "GND1" at 45.387,24.216 h1.52
  text "CF-004" at 69.003,24.216 h1.52
  text "0.035mm" at 90.841,24.216 h1.52
  text "Dielectric 3" at 45.387,21.168 h1.52
  text "PP-006" at 69.003,21.168 h1.52
  text "0.150mm" at 90.841,21.168 h1.52
  text "4.2" at 107.347,21.168 h1.52
  text "4" at 34.976,18.12 h1.52
  text "Bottom Layer" at 45.387,18.12 h1.52
  text "0.035mm" at 90.841,18.12 h1.52
  text "Bottom Solder" at 45.387,15.072 h1.52
  text "Solder Resist" at 69.003,15.072 h1.52
  text "0.025mm" at 90.841,15.072 h1.52
  text "3.5" at 107.347,15.072 h1.52
  text "Bottom Overlay" at 45.387,12.024 h1.52
  text ".Layer_Name" at 6.973,-52.911 h1
Drill Drawing:
  circle w0.254: c27.675,-3.078 r0.508
  circle w0.254: c27.675,-3.078 r0.847
  circle w0.254: c27.675,-6.888 r0.847
  lines w0.254: 26.828,-42.025 28.521,-42.025 28.521,-40.332 26.828,-40.332 26.828,-42.025 ; 26.828,-36.522 28.521,-36.522 27.675,-38.215 26.828,-36.522 ; 26.828,-34.405 26.828,-33.982 27.251,-33.558 26.828,-33.135 26.828,-32.712 27.251,-32.712 27.675,-33.135 28.098,-32.712 28.521,-32.712 28.521,-33.135 28.098,-33.558 28.521,-33.982 28.521,-34.405 28.098,-34.405 27.675,-33.982 27.251,-34.405 26.828,-34.405 ; 26.828,-30.595 28.521,-30.595 28.521,-28.902 26.828,-28.902 26.828,-30.595 ; 26.828,-26.362 27.251,-26.362 27.251,-26.785 28.098,-26.785 28.098,-26.362 28.521,-26.362 28.521,-25.515 28.098,-25.515 28.098,-25.092 27.251,-25.092 27.251,-25.515 26.828,-25.515 26.828,-26.362 ; 26.828,-22.128 27.675,-22.975 28.521,-22.128 27.675,-21.282 26.828,-22.128 ; 26.828,-17.472 28.521,-17.472 27.675,-19.165 26.828,-17.472 ; 26.828,-14.932 27.251,-14.932 27.675,-15.355 28.098,-14.932 28.521,-14.932 28.098,-14.508 28.521,-14.085 28.098,-14.085 27.675,-13.662 27.251,-14.085 26.828,-14.085 27.251,-14.508 26.828,-14.932 ; 26.828,-11.545 27.675,-11.122 28.521,-11.545 28.098,-10.698 28.521,-9.852 27.675,-10.275 26.828,-9.852 27.251,-10.698 26.828,-11.545 ; 27.167,-36.86 28.183,-36.86 27.675,-37.876 27.167,-36.86 ; 27.167,-30.256 28.183,-30.256 28.183,-29.24 27.167,-29.24 27.167,-30.256
  lines w0.381: 25.309,-43.168 227.183,-43.168 ; 25.309,-1.258 227.183,-1.258 ; 39.301,-46.978 39.301,2.552 ; 55.807,-46.978 55.807,2.552 ; 85.008,-46.978 85.008,2.552 ; 97.858,-46.978 97.858,2.552 ; 116.496,-46.978 116.496,2.552 ; 154.585,-46.978 154.585,2.552 ; 169.567,-46.978 169.567,2.552 ; 191.557,-46.978 191.557,2.552 ; 25.309,-46.978 227.183,-46.978 227.183,2.552 25.309,2.552 25.309,-46.978
  text "Symbol" at 27.595,-0.115 h1.83
  text "Count" at 40.444,-0.115 h1.83
  text "Hole Size" at 56.95,-0.115 h1.83
  text "Plated" at 86.151,-0.115 h1.83
  text "Hole Type" at 99.001,-0.115 h1.83
  text "Drill Layer Pair" at 117.639,-0.115 h1.83
  text "Via/Pad" at 155.728,-0.115 h1.83
  text "Hole Length" at 170.71,-0.115 h1.83
  text "Routed Path Length" at 192.7,-0.115 h1.83
  text "1" at 40.444,-3.925 h1.52
  text "1.500mm (59.06mil)" at 56.95,-3.925 h1.52
  text "PTH" at 86.151,-3.925 h1.52
  text "Round" at 99.001,-3.925 h1.52
  text "Top Layer - Bottom Layer" at 117.639,-3.925 h1.52
  text "Pad" at 155.728,-3.925 h1.52
  text "-" at 170.71,-3.925 h1.52
  text "-" at 192.7,-3.925 h1.52
  text "2" at 40.444,-7.735 h1.52
  text "0.900mm (35.43mil)" at 56.95,-7.735 h1.52
  text "PTH" at 86.151,-7.735 h1.52
  text "Round" at 99.001,-7.735 h1.52
  text "Top Layer - Bottom Layer" at 117.639,-7.735 h1.52
  text "Pad" at 155.728,-7.735 h1.52
  text "-" at 170.71,-7.735 h1.52
  text "-" at 192.7,-7.735 h1.52
  text "2" at 40.444,-11.545 h1.52
  text "3.260mm (128.35mil)" at 56.95,-11.545 h1.52
  text "PTH" at 86.151,-11.545 h1.52
  text "Round" at 99.001,-11.545 h1.52
  text "Top Layer - Bottom Layer" at 117.639,-11.545 h1.52
  text "Pad" at 155.728,-11.545 h1.52
  text "-" at 170.71,-11.545 h1.52
  text "-" at 192.7,-11.545 h1.52
  text "3" at 40.444,-15.355 h1.52
  text "0.800mm (31.50mil)" at 56.95,-15.355 h1.52
  text "PTH" at 86.151,-15.355 h1.52
  text "Round" at 99.001,-15.355 h1.52
  text "Top Layer - Bottom Layer" at 117.639,-15.355 h1.52
  text "Pad" at 155.728,-15.355 h1.52
  text "-" at 170.71,-15.355 h1.52
  text "-" at 192.7,-15.355 h1.52
  text "4" at 40.444,-19.165 h1.52
  text "1.020mm (40.16mil)" at 56.95,-19.165 h1.52
  text "PTH" at 86.151,-19.165 h1.52
  text "Round" at 99.001,-19.165 h1.52
  text "Top Layer - Bottom Layer" at 117.639,-19.165 h1.52
  text "Pad" at 155.728,-19.165 h1.52
  text "-" at 170.71,-19.165 h1.52
  text "-" at 192.7,-19.165 h1.52
  text "4" at 40.444,-22.975 h1.52
  text "1.100mm (43.31mil)" at 56.95,-22.975 h1.52
  text "PTH" at 86.151,-22.975 h1.52
  text "Round" at 99.001,-22.975 h1.52
  text "Top Layer - Bottom Layer" at 117.639,-22.975 h1.52
  text "Pad" at 155.728,-22.975 h1.52
  text "-" at 170.71,-22.975 h1.52
  text "-" at 192.7,-22.975 h1.52
  text "4" at 40.444,-26.785 h1.52
  text "1.300mm (51.18mil)" at 56.95,-26.785 h1.52
  text "PTH" at 86.151,-26.785 h1.52
  text "Round" at 99.001,-26.785 h1.52
  text "Top Layer - Bottom Layer" at 117.639,-26.785 h1.52
  text "Pad" at 155.728,-26.785 h1.52
  text "-" at 170.71,-26.785 h1.52
  text "-" at 192.7,-26.785 h1.52
  text "4" at 40.444,-30.595 h1.52
  text "3.200mm (125.98mil)" at 56.95,-30.595 h1.52
  text "NPTH" at 86.151,-30.595 h1.52
  text "Round" at 99.001,-30.595 h1.52
  text "Top Layer - Bottom Layer" at 117.639,-30.595 h1.52
  text "Pad" at 155.728,-30.595 h1.52
  text "-" at 170.71,-30.595 h1.52
  text "-" at 192.7,-30.595 h1.52
  text "9" at 40.444,-34.405 h1.52
  text "1.090mm (42.91mil)" at 56.95,-34.405 h1.52
  text "PTH" at 86.151,-34.405 h1.52
  text "Round" at 99.001,-34.405 h1.52
  text "Top Layer - Bottom Layer" at 117.639,-34.405 h1.52
  text "Pad" at 155.728,-34.405 h1.52
  text "-" at 170.71,-34.405 h1.52
  text "-" at 192.7,-34.405 h1.52
  text "28" at 40.444,-38.215 h1.52
  text "1.000mm (39.37mil)" at 56.95,-38.215 h1.52
  text "PTH" at 86.151,-38.215 h1.52
  text "Round" at 99.001,-38.215 h1.52
  text "Top Layer - Bottom Layer" at 117.639,-38.215 h1.52
  text "Pad" at 155.728,-38.215 h1.52
  text "-" at 170.71,-38.215 h1.52
  text "-" at 192.7,-38.215 h1.52
  text "1337" at 40.444,-42.025 h1.52
  text "0.254mm (10.00mil)" at 56.95,-42.025 h1.52
  text "PTH" at 86.151,-42.025 h1.52
  text "Round" at 99.001,-42.025 h1.52
  text "Top Layer - Bottom Layer" at 117.639,-42.025 h1.52
  text "Via" at 155.728,-42.025 h1.52
  text "-" at 170.71,-42.025 h1.52
  text "-" at 192.7,-42.025 h1.52
  text "1398 Total" at 40.444,-45.835 h1.52

## Dimensions
-82.922,-45.746 to -82.922,47.254 on Mechanical 1
-86.422,-49.246 to -86.422,50.754 on Mechanical 1
-82.922,-45.746 to 10.078,-45.746 on Mechanical 1
13.578,-49.246 to -86.422,-49.246 on Mechanical 1

## Text inside footprints (layer, text, board x,y; h text height)
C1: Top Overlay "+" at -69.919,-38.083 h2
D1: Top Overlay "K" at -68.242,-44.086 h1 r180
D2: Top Overlay "K" at -63.457,-31.557 h1 r270
J1: Top Overlay "6" at -32.656,-47.854 h1.5; Top Overlay "9" at -40.922,-47.887 h1.5; Top Overlay "5" at -42.286,-40.94 h1.5; Top Overlay "1" at -31.129,-40.852 h1.5
U2: Top Overlay "1" at -27.079,33.554 h1 r90
U3: Top Overlay "1" at -37.304,5.114 h1 r90